# Altium PCB AMS_Master_A1.PcbDoc (part 1 of 2) (continued)
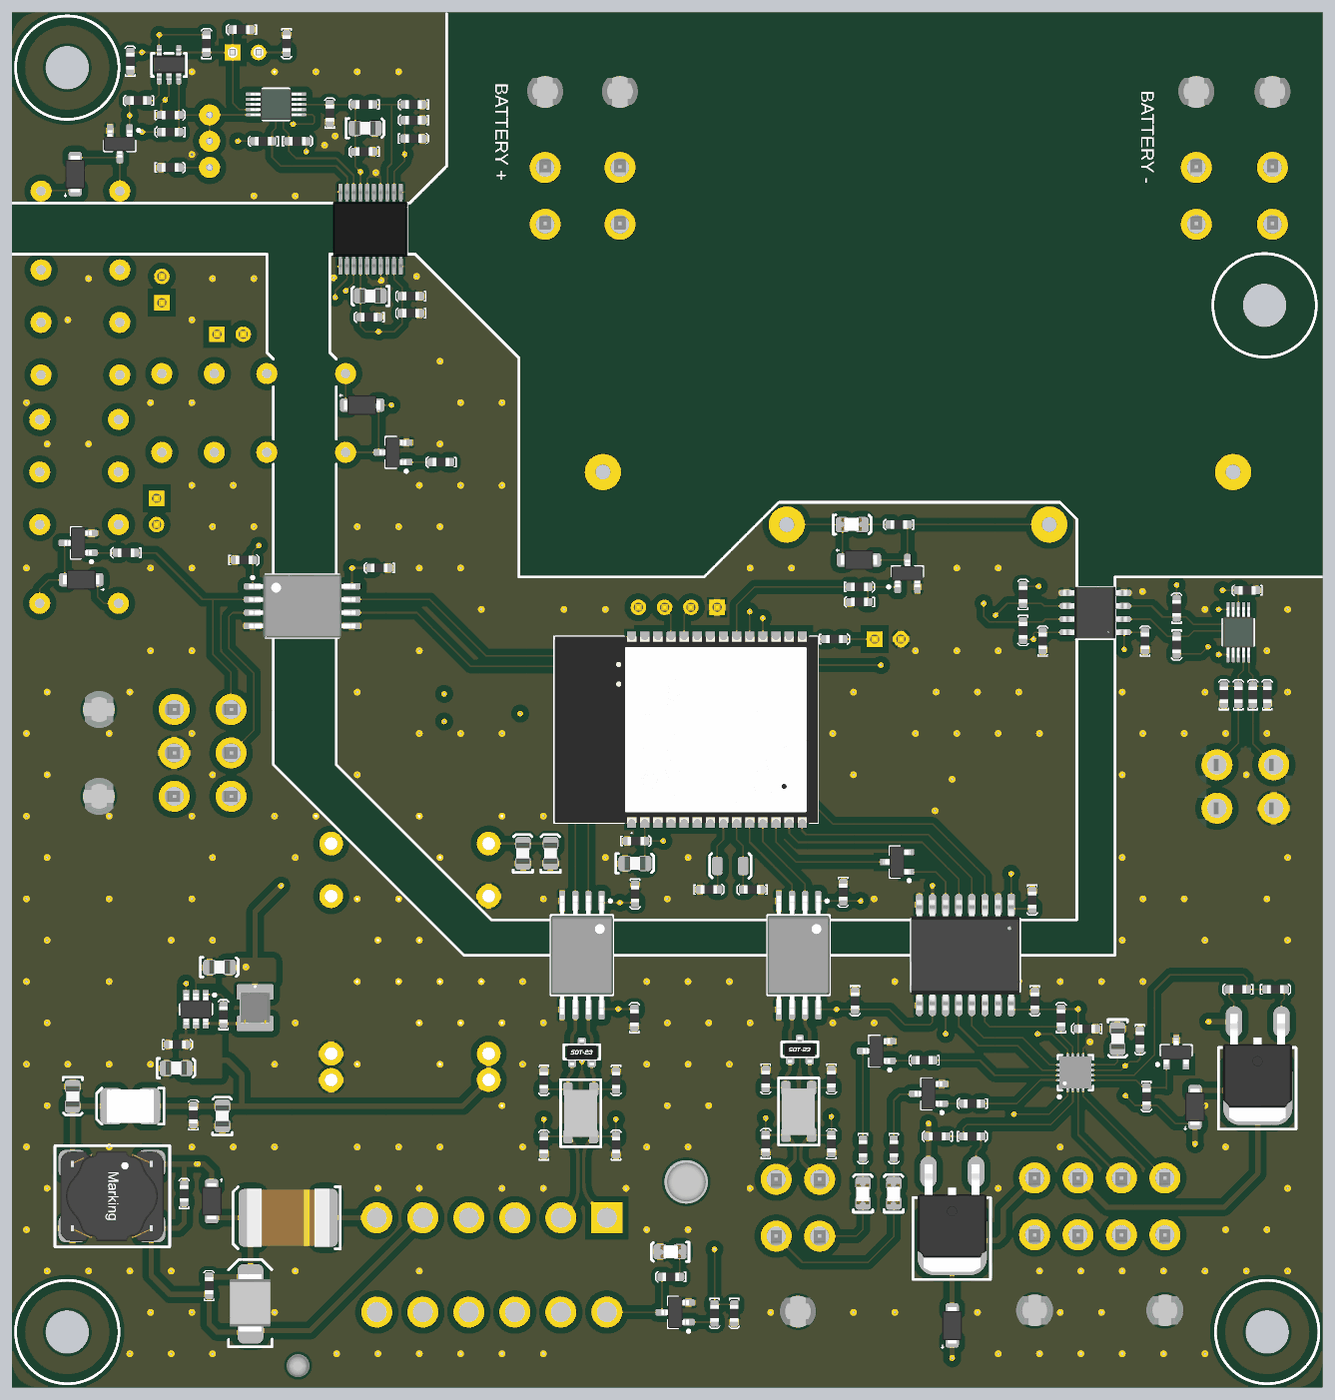
[diagram p6: 3D render of the assembled board from below, using the file's embedded part models]

## Layer stack, top to bottom
Top Solder: solder mask 1, SM-001, Dk 4
Top Layer: signal copper 1.378
Dielectric 1: prepreg 5.1, PP-017, Dk 4.3
Dielectric 2: prepreg 5.1, PP-017, Dk 4.3
Int1 (GND): signal copper 1.378
Dielectric 3: core 28, Core-039, Dk 4.8
Int2 (PWR): signal copper 1.378
Dielectric 4: prepreg 5.1, PP-017, Dk 4.3
Dielectric 5: prepreg 5.1, PP-017, Dk 4.3
Bottom Layer: signal copper 1.378
Bottom Solder: solder mask 1, SM-001, Dk 4

## Board outline
1625,1325 cw(c1685.36,1385.36) 1600,1385.36 1600,6439.64 cw(c1685.36,6439.64) 1625,6500 cw(c1685.36,6439.64) 1685.36,6525 6494.64,6525 cw(c6494.64,6439.64) 6555,6500 cw(c6470.5,6415.5) 6590,6415.5 6590,1399.5 cw(c6470.5,1399.5) 6555,1315 cw(c6494.64,1375.36) 6494.64,1290 1709.5,1290 cw(c1709.5,1409.5)

## Design rules (kind name [scope] priority, off if disabled: settings)
Clearance [All] p1: gap=10 ignorepadtopadclearanceinfootprint=FALSE except(0: Arc-Hole Track-Hole SMDPad-Hole THPad-Hole Via-Hole Fill-Hole Region-Hole Text-Hole; 3.94: THPad-THPad; 6: Arc-SMDPad Track-SMDPad SMDPad-SMDPad; 7.87: Arc-THPad Track-THPad SMDPad-THPad THPad-Via; 8: Arc-Arc Arc-Track Arc-Region Track-Track Track-Region SMDPad-Region THPad-Region Via-Region Fill-Region Poly-Region Region-Region; 23.62: Arc-Poly Track-Poly SMDPad-Poly THPad-Poly Via-Poly Fill-Poly Poly-Poly)
DiffPairsRouting [All] p1: maxlimit=8.66 minlimit=8.66 mostfreqgap=8.66 toplayer_minwidth=12.99 toplayer_maxwidth=12.99 toplayer_prefwidth=12.99 midlayer1_minwidth=12.99 midlayer1_maxwidth=12.99 midlayer1_prefwidth=12.99 midlayer2_minwidth=12.99 midlayer2_maxwidth=12.99 midlayer2_prefwidth=12.99 bottomlayer_minwidth=12.99 bottomlayer_maxwidth=12.99 bottomlayer_prefwidth=12.99 maxuncoupledlength=500
Height [All] p1: minheight=0 maxheight=1968.5 prefheight=500
HoleSize [All] p1: absolutevalues=TRUE maxlimit=393.7 minlimit=1 maxpercent=80.000 minpercent=20.000
MinimumSolderMaskSliver [All] p1 off: minsoldermaskwidth=10
NetAntennae [All] p1 off: netantennaetolerance=0
PlaneClearance [All] p1: clearance=15.75
PlaneConnect [All] p1: pad.planeconnectstyle=Relief pad.reliefexpansion=20 pad.reliefentries=4 pad.reliefconductorwidth=31.5 pad.reliefairgap=10 via.planeconnectstyle=Direct via.reliefexpansion=20 via.reliefentries=4 via.reliefconductorwidth=31.5 via.reliefairgap=10
PolygonConnect [All] p1: thpad.connectstyle=Relief thpad.reliefconductorwidth=23.62 thpad.reliefentries=4 thpad.polygonreliefangle="90 Angle" thpad.airgapwidth=10 smdpad.connectstyle=Relief smdpad.reliefconductorwidth=23.62 smdpad.reliefentries=4 smdpad.polygonreliefangle="90 Angle" smdpad.airgapwidth=10 via.connectstyle=Direct via.reliefconductorwidth=23.62 via.reliefentries=4 via.polygonreliefangle="90 Angle" via.airgapwidth=10
RoutingVias [All] p1: holewidth=9.84 width=21.65 viastyle="Through Hole" minholewidth=8 minwidth=10 maxholewidth=28 maxwidth=50
SilkToSilkClearance [All] p1 off: silktosilkclearance=10
SilkToSolderMaskClearance [IsPad] p1 off: minsilkscreentomaskgap=10 clearancetoexposedcopper=TRUE
SolderMaskExpansion [All] p1: expansion=2 istentingtop=FALSE
Width [All] p1: maxlimit=118.11 minlimit=5 preferedwidth=5.98 minimp=50.000000 maximp=50.000000 favimp=50.000000
21 further rules are at their usual default settings.

## Classes and differential pairs
component class "GPIO Expansion": C38 C40 C58 C59 C60 D20 D23 R19 R44 U15 U19
component class U_Microcontroller: BOOT C9 C57 C61 C62 C65 C66 D16 JTAG P11 R2 R8 R60 S1 U1 X1
component class "Top Level": P1 P2 P3 P5 P6 P7 P8 P9 P14
component class Precharge: D11 D12 D13 D14 D15 D17 D18 D19 Q4 Q5 Q6 Q7 R9 R28 R29 R30 R31 R32 R33 R34 R35 R36 R37 R38 R39 R40 R41 R42 R43 U20
component class Power: C1 C2 C3 C4 C5 C6 C7 C8 C10 C11 C12 C13 C14 C15 C16 C17 D1 D2 D3 D4 F1 L1 L2 R1 R3 U2 U3 U4 U5
component class PDOC: C39 C41 C42 C43 C44 C45 C46 C47 C48 C49 C50 C51 D7 D8 K2 P10 PDOC Q2 R14 R15 R18 R20 R21 R22 R23 R24 R25 R26 R27 U16 U17 U18
component class "Green Loop": AMS C36 C37 D5 D6 D9 D10 IMD K1 K3 Q1 Q3 R12 R13 R16 R17 U14
component class "Current Sensor": C52 C53 C54 C55 C56 R53 R54 R55 R56 R57 R58 U23 U24
component class "Charger Interface": D21 D22 Q9 Q10 R49 R50 R51 R52
component class CANBUS: C18 C19 C20 C21 C22 C23 C24 C25 C26 C27 C28 C29 C30 C31 R4 R5 R6 R7 U6 U7 U8 U9 U10 U11
differential pair CAN2F: +CAN2F_P -CAN2F_N
differential pair CAN1F: +CAN1F_P -CAN1F_N
differential pair CAN2: +CAN2_P -CAN2_N
differential pair CAN1: +CAN1_P -CAN1_N

## Components (designator, comment, footprint, x,y, rotation, side; value= is the part's Value field where it differs from the comment)
AMS "2.54mm" "TH 2.54mm Header 1x2" 5810,5300 r180 top
BOOT "2.54mm" "TH 2.54mm Header 1x2" 3305,4138.74 r180 top
C1 "22uF" 0805 4645,3323.07 r90 bottom
C2 "1µF" 0805 4540,3323.07 r90 bottom
C3 "10uF" 0805 6358.97,2396.93 r270 bottom
C4 "10uF" 0805 5790,2323.07 r90 bottom
C5 "100nF" 0603 5900,2293.07 r90 bottom
C6 "100nF" 0603 5840,1643.07 r90 bottom
C7 "100nF" 0603 5935,1994.06 r90 bottom
C8 "47uF" "CHEMI-CON ELCO" 6055,2010 r90 top
C9 "22uF" 0805 4217.91,3285 r180 bottom
C10 "100nF" 0603 5785,2675 r90 bottom
C11 "2.2uF" 0805 5965,2505 r180 bottom
C12 "1µF" 0805 5005,3893.07 r90 top
C13 "100nF" 0603 5105,3863.07 r90 top
C14 "1µF" 0805 4595,3892.13 r270 top
C15 "100nF" 0603 4695,3922.13 r270 top
C16 "100nF" 0603 5994.33,2595 r180 bottom
C17 "10uF" 0805 5800,2890 r180 bottom
C18 "100nF" 0603 4220,2663.07 r90 bottom
C19 "100nF" 0603 4217.5,3201.93 r270 bottom
C20 "22uF" 0805 4420,2420 r90 top
C21 "100pF" 0603 4290,2178.07 r90 bottom
C22 "100pF" 0603 4565,2178.07 r90 bottom
C23 "100pF" 0603 4565,2491.93 r270 bottom
C24 "100pF" 0603 4290,2491.93 r270 bottom
C25 "100nF" 0603 3380,2795.24 r270 bottom
C26 "100nF" 0603 3425,3208.62 r270 bottom
C27 "22uF" 0805 3595,2435 r90 top
C28 "100pF" 0603 3470,2183.07 r90 bottom
C29 "100pF" 0603 3720,2183.94 r90 bottom
C30 "100pF" 0603 3720,2496.93 r270 bottom
C31 "100pF" 0603 3470,2496.93 r270 bottom
C36 "100nF" 0603 5740.91,4440 r180 bottom
C37 "100nF" 0603 5158.07,4410 r0 bottom
C38 "100nF" 0603 2705,3178.95 r270 bottom
C39 "100nF" 0603 5683.07,6460 r0 bottom
C40 "100nF" 0603 2695,2794.95 r270 bottom
C41 "100nF" 0603 6140,6306.07 r90 bottom
C42 "100nF" 0603 6022.13,6135 r180 bottom
C43 "100nF" 0603 5380,6108.07 r90 bottom
C44 "100nF" 0603 5095,6045 r180 bottom
C45 "10uF" 0805 5245,6085 r180 bottom
C46 "10nF" 0603 5028.07,6115 r0 bottom
C47 "100nF" 0603 5215.94,5995 r0 bottom
C48 "100nF" 0603 5196.46,5365 r0 bottom
C49 "10uF" 0805 5226.46,5445 r0 bottom
C50 "100nF" 0603 5038.07,5445 r0 bottom
C51 "10nF" 0603 5038.07,5380 r0 bottom
C52 "100nF" 0603 1975,3893.07 r90 bottom
C53 "100nF" 0603 1810,3893.07 r90 bottom
C54 "100nF" 0603 2665,4098.07 r90 bottom
C55 "100nF" 0603 1853.07,4325 r0 bottom
C56 "100nF" 0603 2275,4098.07 r90 bottom
C57 "100nF" 0603 4247.91,3370 r180 bottom
C58 "1µF" 0805 2378.97,2616.93 r270 bottom
C59 "100nF" 0603 2295,2646.93 r270 bottom
C60 "100nF" 0603 2463.7,2655 r0 bottom
C61 "100nF" 0603 4520,3690 r90 top
C62 "1µF" 0805 4390,3653.07 r90 top
C65 "22pF" 0603 3970,3185 r180 bottom
C66 "22pF" 0603 3738.07,3185 r0 bottom
D1 "PMEG100T10ELR-QX" "NXP SOD123W" 5830,1997.99 r270 bottom
D2 "Orange" "0805 LED" 4928.07,3641.03 r0 top
D3 "SM6T36CAY" "ST SMB DIODE" 5682.4,1607.64 r270 bottom
D4 "Orange" "0805 LED" 6025,2865.27 r90 top
D5 "Green" "0805 LED" 6222.87,4130 r0 top
D6 "PMEG100T10ELR-QX" "NXP SOD123W" 6327.01,4365 r0 bottom
D7 "Green" "0805 LED" 6442.13,6005 r180 top
D8 "PMEG100T10ELR-QX" "NXP SOD123W" 6350,5910 r90 bottom
D9 "Green" "0805 LED" 5065,5150 r180 top
D10 "PMEG100T10ELR-QX" "NXP SOD123W" 5257.01,5030 r180 bottom
D11 "PMEG100T10ELR-QX" "NXP SOD123W" 3010,1525 r90 bottom
D12 "PMEG100T10ELR-QX" "NXP SOD123W" 2085,2357.01 r90 bottom
D13 "Red" "0805 LED" 4085,1805 r0 bottom
D14 "Red" "0805 LED" 2696.03,2266.93 r270 top
D15 "Red" "0805 LED" 2530,2266.93 r270 top
D16 "Orange" "0805 LED" 3470,3865 r180 top
D17 "Green" "0805 LED" 3390,4575.41 r180 bottom
D18 "PMEG100T10ELR-QX" "NXP SOD123W" 3365,4440 r180 bottom
D19 "Red" "0805 LED" 2988.97,2110 r90 top
D20 "BAS-21" NEXPERIA_SOT23 3220,3290 r0 bottom
D21 "Yellow" "0805 LED" 3350,2029.06 r90 bottom
D22 "Yellow" "0805 LED" 3233.35,2029.06 r90 bottom
D23 "MMBZ5230BLT1G" NEXPERIA_SOT23 2156.57,2565 r90 bottom
F1 "0ZCF0100AF2A" 2920 5395,1935 r0 bottom
IMD "2.54mm" "TH 2.54mm Header 1x2" 6040,4675 r270 top
JTAG "1.27mm" 3221-10-0300-00 3932.99,3714.76 r180 top
K1 "J104A2C5VDC.40S" "TI 2-DIL" 6335,4625 r90 top
K2 "J104A2C5VDC.40S" "TI 2-DIL" 6330,5495 r270 top
K3 "J104A2C5VDC.40S" "TI 2-DIL" 5670,5000 r0 top
L1 "12uH" 1812 6140,2360 r0 bottom
L2 "4.7uH" SRN3015TA-4R7M 5665,2735.04 r270 bottom
P1 "DTF15-12P" DTF15-12P 4325,1216.89 r0 top
P2 "39300040" 39300040 3680,1865 r0 top
P3 "39300060" 39300060 5972.6,3870.71 r90 top
P5 "39300080" 39300080 2695.71,1870 r0 top
P6 "39300020" 39300020 1790,5935 r180 top
P7 "39300020" 39300020 4560,5935 r180 top
P8 "39300020" 39300020 4275,5935 r180 top
P9 "39300020" 39300020 2080,5935 r180 top
P10 "B2B-XH-A(LF)(SN)" "XH 2 PIN VERT" 5700.79,6378 r180 top
P11 "2.54mm" "TH 2.54mm Header 1x4" 3905,4260 r0 top
P14 "39293046" 39293046 1785,3494.65 r270 top
PDOC "2.54mm" "TH 2.54mm Header 1x2" 6020,5420 r90 top
Q1 "SQ2308CES-T1_GE3" "VSHY SOT-23-3" 6338.82,4505 r0 bottom
Q2 "SQ2308CES-T1_GE3" "VSHY SOT-23-3" 6180,6025 r270 bottom
Q3 "SQ2308CES-T1_GE3" "VSHY SOT-23-3" 5140,4850 r0 bottom
Q4 "STD70N10F4" "STM TO-252 MOSFET" 3011.42,1834.41 r180 bottom
Q5 "STD70N10F4" "STM TO-252 MOSFET" 1848.03,2406.22 r180 bottom
Q6 "SQ2308CES-T1_GE3" "VSHY SOT-23-3" 4065,1575 r0 bottom
Q7 "SQ2308CES-T1_GE3" "VSHY SOT-23-3" 3180,4388.82 r90 bottom
Q9 "SQ2308CES-T1_GE3" "VSHY SOT-23-3" 3298.82,2570 r0 bottom
Q10 "SQ2308CES-T1_GE3" "VSHY SOT-23-3" 3100,2407.32 r0 bottom
R1 "1.2k" 0603 5150.2,3640 r180 top
R2 "10k" 0603 3491.93,4138.74 r180 bottom
R3 "1.2k" 0603 6026.03,3111.93 r270 top
R4 "56R" 0805 4305,2420 r270 top
R5 "56R" 0805 4545,2420 r90 top
R6 "56R" 0805 3485,2434.06 r270 top
R7 "56R" 0805 3710,2435 r90 top
R8 "680R" 0603 3265,3866.03 r0 top
R9 "20K" 0603 3330,4280 r0 bottom
R12 "1k" 0603 6485,4130 r180 top
R13 "680R" 0603 6123.07,4467.6 r0 bottom
R14 "680R" 0603 6075.67,6190 r0 bottom
R15 "1k" 0603 6220,6006.03 r0 top
R16 "1k" 0603 5095,5030 r180 top
R17 "680R" 0603 4923.07,4812.6 r0 bottom
R18 "2K" 0603 5850,6373 r90 bottom
R19 "1.2k" 0603 2595,2663.07 r90 bottom
R20 "10k" 0603 5545,6440 r270 bottom
R21 "10k" 0603 5955.2,6070 r0 bottom
R22 "10K (Var)" "B 3296" 5860,6031.61 r270 top
R23 "10k" 0603 6022.13,5935 r180 bottom
R24 "5.1k" 0603 5600,6035 r0 bottom
R25 "5.1k" 0603 5536.93,6035 r180 bottom
R26 "20K" 0603 5215.94,6175 r0 bottom
R27 "10k" 0603 5028.07,6175 r0 bottom
R28 "1.2k" 0603 2695.2,2445 r90 top
R29 "1.2k" 0603 2530,2445 r90 top
R30 "1.2k" 0603 4048.07,1710 r0 bottom
R31 "500R" 0603 2966.93,2245 r180 bottom
R32 "500R" 0603 1811.93,2805 r180 bottom
R33 "500R" 0603 3915,1604.53 r270 bottom
R34 "20K" 0603 3033.07,2245 r0 bottom
R35 "20K" 0603 1888.07,2805 r0 bottom
R36 "20K" 0603 3840,1604.53 r270 bottom
R37 "PWR263S-35-1001J" "B TO-263" 2715,6035 r270 top value=1k
R38 "PWR263S-35-1001J" "B TO-263" 2715,5430 r270 top value=1k
R39 "1k" 0603 3180,4575 r0 bottom
R40 "PWR263S-35-1001J" "B TO-263" 3593.43,5430 r90 top value=1k
R41 "PWR263S-35-1001J" "B TO-263" 3593.43,6035 r90 top value=1k
R42 "680R" 0603 3396.93,4337.64 r180 bottom
R43 "1.2k" 0603 2990,1937.96 r270 top
R44 "1.2k" 0603 2270,2430 r270 bottom
R49 "680R" 0603 3350,2231.93 r270 bottom
R50 "680R" 0603 3083.07,2535 r0 bottom
R51 "680R" 0603 3232.32,2231.93 r270 bottom
R52 "680R" 0603 2900,2370 r0 bottom
R53 "1k" 0603 1920,3893.07 r90 bottom
R54 "1k" 0603 1865,3893.07 r90 bottom
R55 "5.1k" 0603 2740,4205 r270 bottom
R56 "5.1k" 0603 2740,4275 r90 bottom
R57 "5.1k" 0603 2154.84,4222.91 r90 bottom
R58 "5.1k" 0603 2154.84,4149.84 r270 bottom
R60 "10k" 0603 4595,3756.93 r270 top
S1 "PTS636_SM43_SMTR_LFS" PTS636SM43SMTRLFS 4390,3955 r90 top
U1 "ESP32-C6-WROOM-1-N8" ESP32-C6-WROOM-1-N8 4023.9,3794.25 r90 bottom
U2 "JTC0424S05" "24-DIP Module, 7 Leads" 5075,2910 r90 top
U3 "744272121" "Wurth 4-PC Pad" 6360,1895.12 r180 bottom value="120uH @ 100kHz"
U4 "LMR50410Y5FQDBVRQ1" TI-SOT23-6 5890,2729.13 r270 bottom
U5 "TLV70033-Q1" "TI SOT-23-5" 4883,3855.2 r90 top
U6 "ISO1042" TI-SOIC-8 4420,2935 r270 bottom
U7 "B82787C0104H002" "TDK 4-PC Pad" 4473.43,2245 r90 bottom value="100µH @ 100kHz"
U8 "NUP2105L" "ON SOT-23" 4420,2565 r180 bottom
U9 "ISO1042" TI-SOIC-8 3595,2935 r270 bottom
U10 "B82787C0104H002" "TDK 4-PC Pad" 3643.43,2250.87 r90 bottom value="100µH @ 100kHz"
U11 "NUP2105L" "ON SOT-23" 3590,2575 r180 bottom
U14 "ADuM225N" AD-SOIC-8W 5485,4264.53 r180 bottom
U15 "ADum1401" "AD 16-SOIC" 3010,2935 r0 bottom
U16 "TS391ILT" "ON SOT-23-5" 6054.61,6241.61 r180 bottom
U17 "ADS1115" "TI 10-VSSOP" 5585,6175 r180 bottom
U18 "ADM3260" "AD 20-SSOP" 5225,5700 r180 bottom
U19 "ADS7028" WFQN-16 2540.47,2487.91 r90 bottom
U20 "3350-1275-056" "CI SPST" 3140,4575 r0 top
U23 "ADS1115" "TI 10-VSSOP" 1920,4165 r90 bottom
U24 "ISO1540DR" "TI 8-SOIC" 2736,4265 r0 bottom
X1 "32.768kHz" "EPSON 2-SMD" 3855,3275 r180 bottom

## Footprints (in the part's own frame and the unit in brackets; to place one, negate y for a bottom-side part, rotate by r counter-clockwise, add the part's x,y. Pads: shape width x height; smd on the part's side, far side on the other; paste and mask are expansions set on the pad)
"24-DIP Module, 7 Leads" [mm]
  round 2.3 hole 1.2: 2(-11.43,-7.62) 3(-8.89,-7.62) 9(6.35,-7.62) 11(11.43,-7.62) 14(11.43,7.62) 16(6.35,7.62) 22(-8.89,7.62) 23(-11.43,7.62)
  silkscreen extent -15.88,-10.16 15.88,10.16, body extent -15.87,-10.16 15.87,10.16, height 10.41
0603 [mm]
  rrect50% 0.9x0.8 smd: 1(0,0) 2(1.7,0)
  silkscreen extent -0.6,-0.5 2.3,0.5, body extent 0.05,-0.42 1.65,0.43, height 0.6
0805 [mil]
  rrect50% 51.18x59.06 smd: 1(-37.87,-1.03) 2(36.93,-1.03)
  silkscreen extent -73,-37 71,37, body extent -39,-26 39,26, height 29
"0805 LED" [mil]
  rrect50% 51.18x59.06 smd: A(-37.87,-1.03) K(36.93,-1.03)
  silkscreen extent -73,-37 71,37, body extent -43,-25 36,25, height 39
1812 [mm]
  rrect50% 2.2x3.5 smd: 1(-1.8,0) 2(1.8,0)
  silkscreen extent -3.25,-1.75 3.25,1.75, body extent -2.25,-1.6 2.25,1.6, height 2.5
2920 [mm]
  rrect50% 2.3x5.6 smd: 1(0,0) 2(7.3,0)
  silkscreen extent -1.4,-3 9,3, body extent -0.34,-2.81 7.64,2.81, height 1.14
3221-10-0300-00 [mm]
  rect 0.76x2.4 smd: 1(-2.54,-1.95) 2(-2.54,1.95) 3(-1.27,-1.95) 4(-1.27,1.95) 5(0,-1.95) 6(0,1.95) 7(1.27,-1.95) 8(1.27,1.95) 9(2.54,-1.95) 10(2.54,1.95)
  silkscreen extent -6.35,-3.6 6.35,2.55, body extent -6.34,-2.8 6.36,2.8, height 5.25
39293046 [mm]
  round 3 hole 1.85: 1(0,0) 2(0,5.5) 3(-4.2,0) 4(-4.2,5.5)
  body extent -7.3,-2.1 3.1,8.9, height 3.5
39300020 [mm]
  round 3 hole 1.8: 1(0,0) 2(0,5.5)
  round 1.524 hole 3.05: ""(0,-7.3)
  body extent -2.7,-13.97 3.1,5.97, height 11.4
39300040 [mm]
  round 3 hole 1.85: 1(0,0) 2(0,5.5) 3(-4.2,0) 4(-4.2,5.5)
  round 1.524 hole 3.05: ""(-2.1,-7.3)
  body extent -6.9,-13.87 3.1,6.07, height 11.4
39300060 [mm]
  round 3 hole 1.85: 1(0,0) 2(0,5.5) 3(-4.2,0) 4(-4.2,5.5) 5(-8.4,0) 6(-8.4,5.5)
  round 1.524 hole 3.05: ""(-8.4,-7.3) ""(0,-7.3)
  body extent -11.1,-13.87 3.1,6.07, height 11.4
39300080 [mm]
  round 3 hole 1.85: 1(0,0) 2(0,5.5) 3(-4.2,0) 4(-4.2,5.5) 5(-8.4,0) 6(-8.4,5.5) 7(-12.6,0) 8(-12.6,5.5)
  round 1.524 hole 3.05: ""(-12.6,-7.3) ""(0,-7.3)
  body extent -15.3,-13.9 3.1,6.04, height 11.4
"AD 16-SOIC" [mil]
  rrect50% 28x85 smd: 1(-225,-192.02)
  oval 28x85 smd: 2(-175,-192.02) 3(-125,-192.02) 4(-75,-192.02) 5(-25,-192.02) 6(25,-192.02) 7(75,-192.02) 8(125,-192.02) 9(125,190) 10(75,189.96) 11(25,189.96) 12(-25,189.96) 13(-75,189.96) 14(-125,189.96) 15(-175,191.98) 16(-225,191.98)
  silkscreen extent -257,-138 155,138, body extent -256,-209 156,209, height 104
"AD 20-SSOP" [mm]
  rrect50% 0.4x1.6 smd: 1(-2.925,-3.6) 2(-2.275,-3.6) 3(-1.625,-3.6) 4(-0.975,-3.6) 5(-0.325,-3.6) 6(0.325,-3.6) 7(0.975,-3.6) 8(1.625,-3.6) 9(2.275,-3.6) 10(2.925,-3.6) 11(2.925,3.6) 12(2.275,3.6) 13(1.625,3.6) 14(0.975,3.6) 15(0.325,3.6) 16(-0.325,3.6) 17(-0.975,3.6) 18(-1.625,3.6) 19(-2.275,3.6) 20(-2.925,3.6)
  silkscreen extent -3.5,-2.5 3.5,2.5, body extent -3.64,-3.9 3.56,3.9, height 1.2
AD-SOIC-8W [mm]
  rrect50% 1.7x0.6 smd: 1(-4.8,1.905) 2(-4.8,0.635) 3(-4.8,-0.635) 4(-4.8,-1.905) 5(4.8,-1.905) 6(4.8,-0.635) 7(4.8,0.635) 8(4.8,1.905)